# KiCad board PiEEG.kicad_pcb
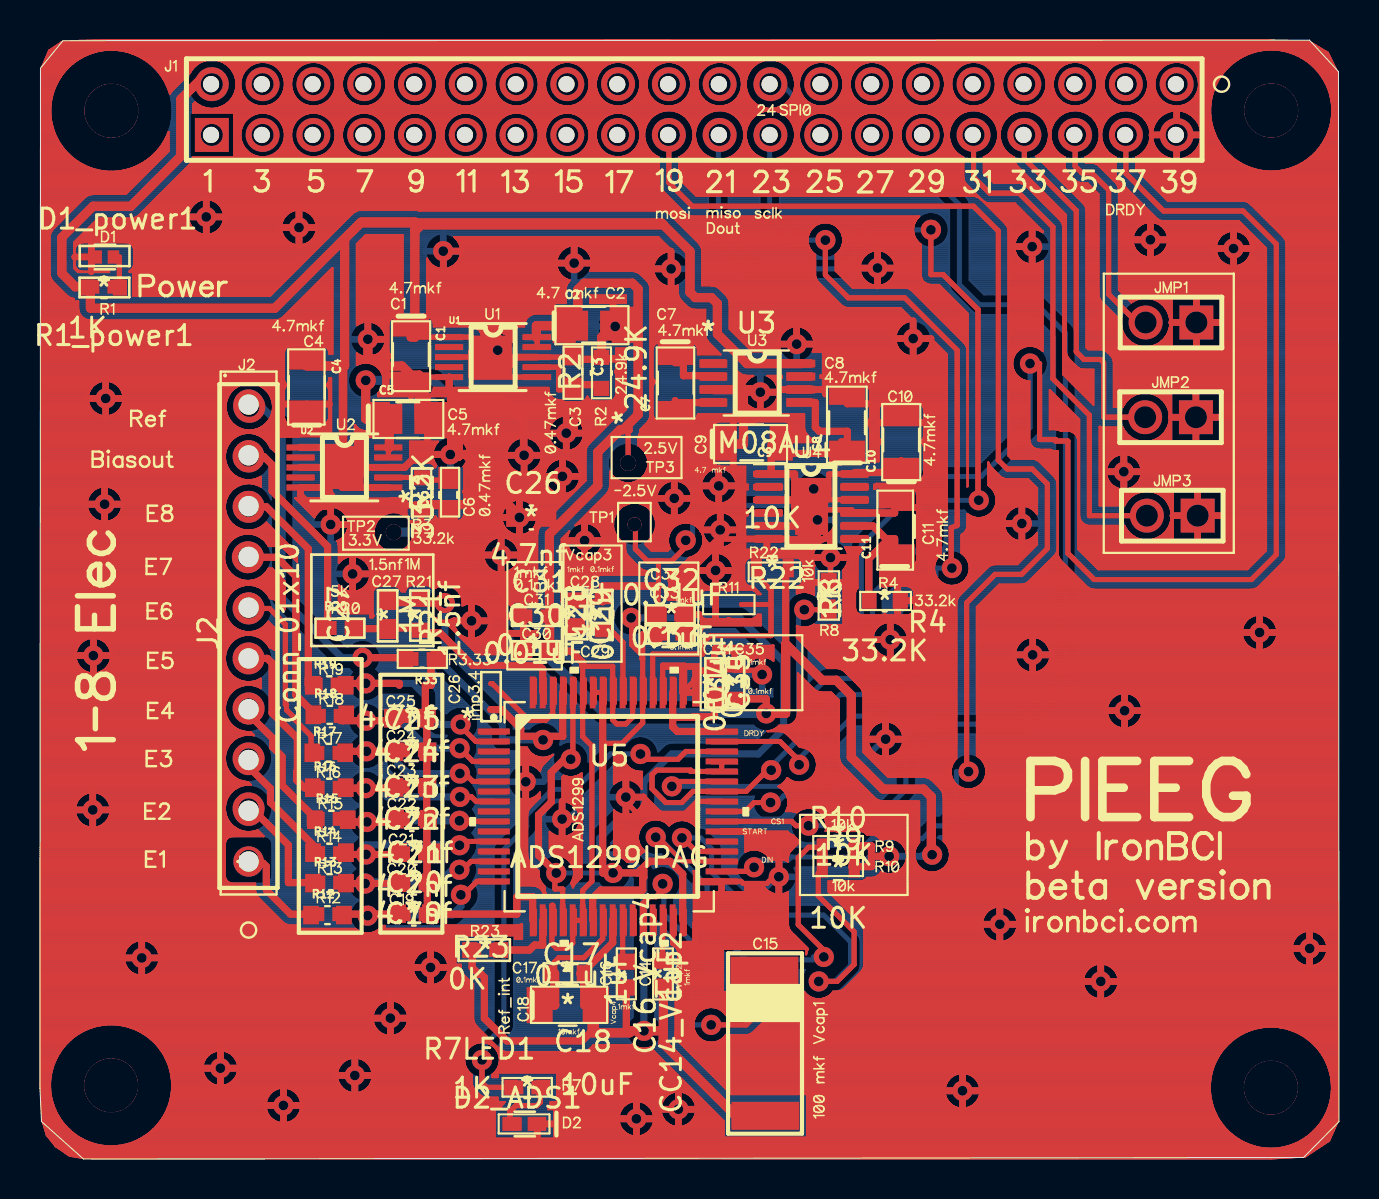
[diagram p0: board, top side]
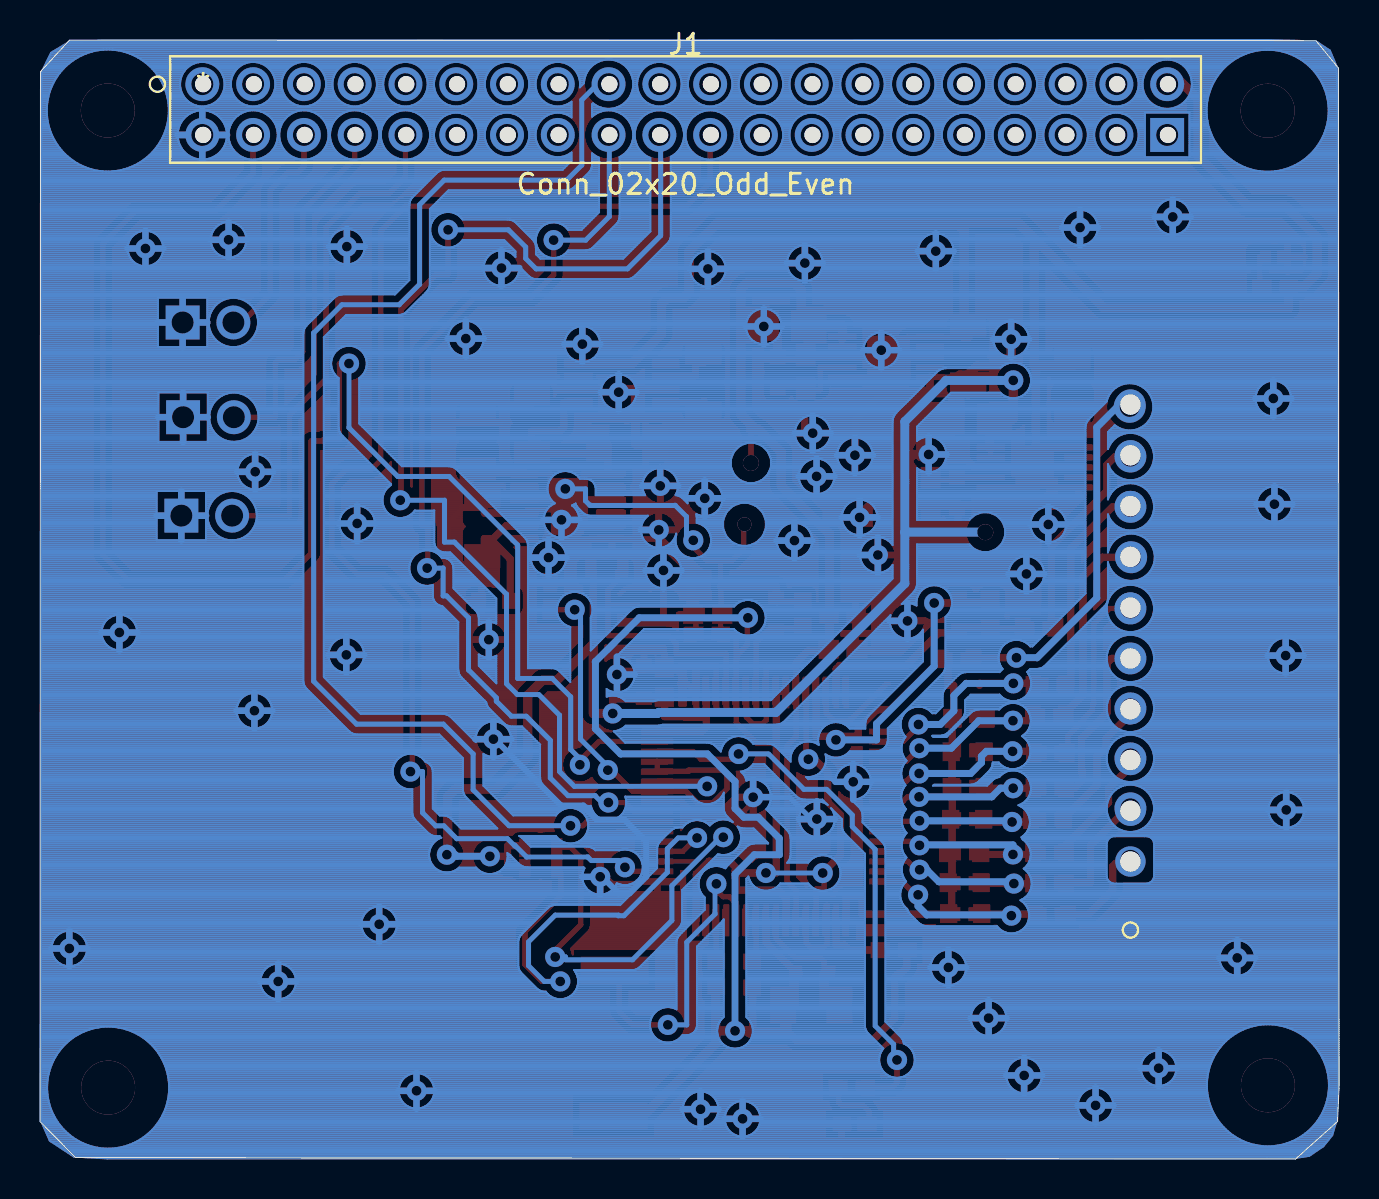
[diagram p1: board, bottom side, seen from below]

Outline 64.97 x 55.98 mm; copper layers: Top, Bottom. Coordinates in mm from the lower left corner of the outline.
Outline path: 0,3.53 0.03,54.58 1.15,55.95 63.5,55.98 64.95,54.4 64.97,1.88 63.2,0.08 2.17,0 0.08,1.88 0,3.53

## Placement (name value [footprint] x y rotation side)
C1  4.7uF  [CAPC3216X229N]  18.55 40.25 270 top
C2  4.7uF  [CAPC3216X229N]  27.69 41.74 0 top
C3  0.47uF  [CAPC1608X90]  26.68 39.4 270 top
C4  4.7uF  [CAPC3216X229N]  13.34 38.6 270 top
C5  4.7uF  [CAPC3216X229N]  18.4 36.97 0 top
C6  0.47uF  [CAPC1608X90]  20.43 33.23 90 top
C7  4.7uF  [CAPC3216X229N]  31.8 38.83 90 top
C8  4.7uF  [CAPC3216X229N]  40.37 36.84 90 top
C9  4.7uF  [CAPC3216X229N]  35.6 35.85 180 top
C10  4.7uF  [CAPC3216X229N]  43.07 35.98 90 top
C11  4.7uF  [CAPC3216X229N]  42.85 31.65 90 top
C16_Vcap4  1uF  [CC0603JRX7R7BB105]  29.35 9.23 270 top
C17  0.1uF  [CL10B104JB8NNNC]  26.35 9.3 0 top
C18  10uF  [C1206C106J8RACTU]  26.4 7.7 0 top
C19  4.7nf  [50MU472KY11608]  18.7 12.28 180 top
C20  4.7nf  [50MU472KY11608]  18.72 13.83 0 top
C21  4.7nf  [50MU472KY11608]  18.75 15.33 0 top
C22  4.7nf  [50MU472KY11608]  18.6 17 0 top
C23  4.7nf  [50MU472KY11608]  18.57 18.6 0 top
C24  4.7nf  [50MU472KY11608]  18.57 20.38 0 top
C25  4.7nf  [50MU472KY11608]  18.47 22.05 0 top
C26  4.7nf  [50MU472KY11608]  24.57 32.1 0 top
C27  1.5nf  [C0603C152F1GACTU]  17.45 27.25 90 top
C28  1uF  [CC0603JRX7R7BB105]  26.82 27.3 90 top
C29  0.1uF  [CL10B104JB8NNNC]  28.15 27.25 90 top
C30  0.01uF  [C0603C103F3GECAUTO]  24.8 25.5 0 top
C31  0.1uF  [CL10B104JB8NNNC]  24.83 27.18 0 top
C32  0.01uF  [C0603C103F3GECAUTO]  31.58 27.25 0 top
C33  0.1uF  [CL10B104JB8NNNC]  31.63 26.23 0 top
C34  0.01uF  [C0603C103F3GECAUTO]  33.75 23.85 90 top
C35  0.1uF  [CL10B104JB8NNNC]  34.78 23.88 90 top
CC14_Vcap2  1uF  [CC0603JRX7R7BB105]  31.15 9.28 270 top
D1_power1  D  [RESC1005X38N]  3.25 45.13 0 top
D2_ADS1  D  [RESC1005X38N]  24.25 1.75 180 top
J1  Conn_02x20_Odd_Even  [PPTC202LFBN-RC]  32.71 52.5 180 bottom
J2  Conn_01x10  [PPPC101LFBN-RC]  10.44 26.32 90 top
R1_power1  1K  [RC1608F102CS]  3.2 43.6 180 top
R2  24.9K  [ERJ-3EKF2492V]  28.07 39.33 90 top
R3  33.2K  [ERJ-3EKF3322V]  19.11 33.31 90 top
R4  33.2K  [ERJ-3EKF3322V]  42.25 27.93 0 top
R7LED1  1K  [RC1608F102CS]  24.37 3.58 0 top
R8  1K  [RC1608F102CS]  39.45 28.15 90 top
R9  10K  [ERJ-PB3B1022V]  39.93 15.58 0 top
R10  10K  [ERJ-PB3B1022V]  39.93 14.55 0 top
R12  5K  [RESC1608X55N]  14.38 12.2 0 top
R13  5K  [RESC1608X55N]  14.48 13.8 0 top
R14  5K  [RESC1608X55N]  14.48 15.33 0 top
R15  5K  [RESC1608X55N]  14.58 16.98 0 top
R16  5K  [RESC1608X55N]  14.47 18.58 0 top
R17  5K  [RESC1608X55N]  14.44 20.33 0 top
R18  5K  [RESC1608X55N]  14.5 22.23 0 top
R19  5K  [RESC1608X55N]  14.47 23.7 0 top
R20  5K  [RESC1608X55N]  15 26.6 0 top
R21  1M  [ERJ-3EKF1004V]  19 27.23 270 top
R22  10K  [ERJ-PB3B1022V]  36.62 29.58 180 top
R23  0K  [CRCW06030000Z0EAHP]  22.27 10.45 0 top
R33  5K  [RESC1608X55N]  19.11 25.03 180 top
U1  LT3042xMSE  [MSOP-10_MSE]  22.64 40.12 0 top
U2  LT3042xMSE  [MSOP-10_MSE]  15.22 34.6 0 top
U3  M08A  [SP6661EU-L&slash_TR]  35.83 38.83 0 top
U4  LT3094xMSE  [MSOP-12-1EP_3x4mm_P0.65mm_EP1.65x2.85mm]  38.59 32.65 0 top
U5  -  [ADS1299IPAG]  28.47 17.63 0 top

## Library data of the parts
C31 = -: Field4: *

## Footprints (pads in the part's own frame, mm; a bottom-side part is the same pattern mirrored in y, then rotated)
50MU472KY11608
  rect 0.864x0.94 smd: 1(-0.826,0) 2(0.826,0)
ADS1299IPAG
  rect 1.346x0.279 smd: 1(-5.779,3.75) 2(-5.779,3.25) 3(-5.779,2.75) 4(-5.779,2.25) 5(-5.779,1.75) 6(-5.779,1.25) 7(-5.779,0.75) 8(-5.779,0.25) 9(-5.779,-0.25) 10(-5.779,-0.75) 11(-5.779,-1.25) 12(-5.779,-1.75) 13(-5.779,-2.25) 14(-5.779,-2.75) 15(-5.779,-3.25) 16(-5.779,-3.75) 33(5.779,-3.75) 34(5.779,-3.25) 35(5.779,-2.75) 36(5.779,-2.25) 37(5.779,-1.75) 38(5.779,-1.25) 39(5.779,-0.75) 40(5.779,-0.25) 41(5.779,0.25) 42(5.779,0.75) 43(5.779,1.25) 44(5.779,1.75) 45(5.779,2.25) 46(5.779,2.75) 47(5.779,3.25) 48(5.779,3.75)
  rect 0.279x1.346 smd: 17(-3.75,-5.779) 18(-3.25,-5.779) 19(-2.75,-5.779) 20(-2.25,-5.779) 21(-1.75,-5.779) 22(-1.25,-5.779) 23(-0.75,-5.779) 24(-0.25,-5.779) 25(0.25,-5.779) 26(0.75,-5.779) 27(1.25,-5.779) 28(1.75,-5.779) 29(2.25,-5.779) 30(2.75,-5.779) 31(3.25,-5.779) 32(3.75,-5.779) 49(3.75,5.779) 50(3.25,5.779) 51(2.75,5.779) 52(2.25,5.779) 53(1.75,5.779) 54(1.25,5.779) 55(0.75,5.779) 56(0.25,5.779) 57(-0.25,5.779) 58(-0.75,5.779) 59(-1.25,5.779) 60(-1.75,5.779) 61(-2.25,5.779) 62(-2.75,5.779) 63(-3.25,5.779) 64(-3.75,5.779)
C0603C103F3GECAUTO
  rect 1.006x0.95 smd: 1(-0.728,0) 2(0.728,0)
C0603C152F1GACTU
  rect 1.006x0.95 smd: 1(-0.728,0) 2(0.728,0)
C1206C106J8RACTU
  rect 1.306x1.8 smd: 1(-1.403,0) 2(1.403,0)
CAPC1608X90
  rect 1.1x1 smd: 1(-0.85,0) 2(0.85,0)
CAPC3216X229N
  rect 1.16x1.82 smd: 1(-1.475,0) 2(1.475,0)
CC0603JRX7R7BB105
  rect 0.813x0.889 smd: 1(-0.648,0) 2(0.648,0)
CL10B104JB8NNNC
  rect 0.656x0.8 smd: 1(-0.828,0) 2(0.828,0)
CRCW06030000Z0EAHP
  rect 0.756x0.8 smd: 1(-0.778,0) 2(0.778,0)
ERJ-3EKF1004V
  rect 0.756x0.8 smd: 1(-0.778,0) 2(0.778,0)
ERJ-3EKF2492V
  rect 0.756x0.8 smd: 1(-0.778,0) 2(0.778,0)
ERJ-3EKF3322V
  rect 0.756x0.8 smd: 1(-0.778,0) 2(0.778,0)
ERJ-PB3B1022V
  rect 0.559x0.94 smd: 1(-0.8,0) 2(0.8,0)
MSOP-10_MSE
  rect 1.397x0.279 smd: 1(-2.184,1.001) 2(-2.184,0.5) 3(-2.184,0) 4(-2.184,-0.5) 5(-2.184,-1.001) 6(2.184,-1.001) 7(2.184,-0.5) 8(2.184,0) 9(2.184,0.5) 10(2.184,1.001)
  rect 1.93x2.159 smd: 11(0,0)
MSOP-12-1EP_3x4mm_P0.65mm_EP1.65x2.85mm
  rrect 0.67x1.15 smd: (-0.41,0.71) (-0.41,-0.71) (0.41,0.71) (0.41,-0.71)
  rrect 1.45x0.4 smd: 1(-2.15,1.625) 2(-2.15,0.975) 3(-2.15,0.325) 4(-2.15,-0.325) 5(-2.15,-0.975) 6(-2.15,-1.625) 7(2.15,-1.625) 8(2.15,-0.975) 9(2.15,-0.325) 10(2.15,0.325) 11(2.15,0.975) 12(2.15,1.625)
  rect 1.65x2.85 smd: 13(0,0)
PPPC101LFBN-RC
  round 1.524 hole 1.016: 1(-11.44,0.007) 2(-8.9,0.007) 3(-6.36,0.007) 4(-3.82,0.007) 5(-1.28,0.007) 6(1.26,0.007) 7(3.8,0.007) 8(6.34,0.007) 9(8.88,0.007) 10(11.42,0.007)
PPTC202LFBN-RC
  round 1.321 hole 0.813: 1(-24.11,1.27) 2(-24.11,-1.27) 3(-21.57,1.27) 4(-21.57,-1.27) 5(-19.03,1.27) 6(-19.03,-1.27) 7(-16.49,1.27) 8(-16.49,-1.27) 9(-13.95,1.27) 10(-13.95,-1.27) 11(-11.41,1.27) 12(-11.41,-1.27) 13(-8.87,1.27) 14(-8.87,-1.27) 15(-6.33,1.27) 16(-6.33,-1.27) 17(-3.79,1.27) 18(-3.79,-1.27) 19(-1.25,1.27) 20(-1.25,-1.27) 21(1.29,1.27) 22(1.29,-1.27) 23(3.83,1.27) 24(3.83,-1.27) 25(6.37,1.27) 26(6.37,-1.27) 27(8.91,1.27) 28(8.91,-1.27) 29(11.45,1.27) 30(11.45,-1.27) 31(13.99,1.27) 32(13.99,-1.27) 33(16.53,1.27) 34(16.53,-1.27) 35(19.07,1.27) 36(19.07,-1.27) 37(21.61,1.27) 38(21.61,-1.27) 39(24.15,1.27) 40(24.15,-1.27)
RC1608F102CS
  rect 0.706x0.8 smd: 1(-0.803,0) 2(0.803,0)
RESC1005X38N
  rect 0.57x0.67 smd: 1(-0.43,0) 2(0.43,0)
RESC1608X55N
  rect 0.79x0.93 smd: 1(-0.82,0) 2(0.82,0)
SP6661EU-L&slash_TR
  rect 1.308x0.432 smd: 1(-2.153,0.975) 2(-2.153,0.325) 3(-2.153,-0.325) 4(-2.153,-0.975) 5(2.153,-0.975) 6(2.153,-0.325) 7(2.153,0.325) 8(2.153,0.975)

## Nets
+2V5: C2.1 C30.2 C31.2 R9.2 R10.2 U1.9 U1.10 U5.19 U5.21 U5.22 U5.54 U5.56 U5.59
+3.3V: C5.1 C34.1 C35.1 R22.1 U2.9 U2.10 U5.48 U5.50
+5V: C1.1 C4.1 C9.1 J1.2 R1_power1.2 U1.1 U1.2 U1.3 U1.6 U2.1 U2.2 U2.3 U2.6 U3.8 U4.1 U4.2 U4.3 U4.5 U4.13
-2V5: C10.1 C16_Vcap4.2 C17.2 C18.2 C28.2 C29.2 C32.1 C33.1 CC14_Vcap2.1 R23.2 U4.10 U4.11 U4.12 U5.20 U5.23 U5.25 U5.32 U5.53 U5.57 U5.58 U5.60
-5V: C8.2
GND: C1.2 C2.2 C3.1 C4.2 C5.2 C6.1 C9.2 C10.2 C11.1 C32.2 C33.2 C34.2 C35.2 D1_power1.1 D2_ADS1.1 J1.39 R2.2 R3.2 R4.2 R8.2 U1.5 U1.8 U1.11 U2.5 U2.8 U2.11 U3.3 U3.6 U4.9 U5.31 U5.33 U5.41 U5.49 U5.51
/ADS1299_subsheet/SPI3.1DRDY: U5.47
/ADS1299_subsheet/SPI3.2.mosi_din: U5.34
/ADS1299_subsheet/SPI3.3.SCLK: U5.40
/ADS1299_subsheet/SPI3.4CS1: U5.39
/ADS1299_subsheet/SPI3.6_MISO_dout: U5.43
/SPI3.1DRDY: J1.37
/SPI3.2.mosi_dout: J1.19
/SPI3.3.SCLK: J1.23
/SPI3.4CS1: J1.24
/SPI3.6_MISO_din: J1.21
Net-(C3-Pad2): C3.2 R2.1 U1.7
Net-(C6-Pad2): C6.2 R3.1 U2.7
Net-(C7-Pad1): C7.1 U3.1
Net-(C7-Pad2): C7.2 U3.4
Net-(C8-Pad1): C8.1 U3.5
Net-(C11-Pad2): C11.2 R4.1 U4.8
Net-(C15_Vcap1-Pad1): U5.28
Net-(C16_Vcap4-Pad1): C16_Vcap4.1 U5.26
Net-(C18-Pad1): C17.1 C18.1 U5.24
Net-(C19-Pad1): C19.1 R12.2 U5.16
Net-(C20-Pad1): C20.1 R13.2 U5.14
Net-(C21-Pad1): C21.1 R14.2 U5.12
Net-(C22-Pad1): C22.1 R15.2 U5.10
Net-(C23-Pad1): C23.1 R16.2 U5.8
Net-(C24-Pad1): C24.1 R17.2 U5.6
Net-(C25-Pad1): C25.1 R18.2 U5.4
Net-(C26-Pad1): C26.1 R19.2 U5.2
Net-(C26-Pad2): C19.2 C20.2 C21.2 C22.2 C23.2 C24.2 C25.2 C26.2 R33.1 U5.17
Net-(C27-Pad1): C27.1 R21.2 U5.61 U5.62
Net-(C27-Pad2): C27.2 R20.2 R21.1 U5.63
Net-(C28-Pad1): C28.1 C29.1 U5.55
Net-(C30-Pad1): C30.1 C31.1
Net-(CC14_Vcap2-Pad2): CC14_Vcap2.2 U5.30
Net-(D1_power1-Pad2): D1_power1.2 R1_power1.1
Net-(J1-Pad31): J1.31
Net-(J1-Pad33): J1.33
Net-(J1-Pad35): J1.35
Net-(J2-Pad1): J2.1 R12.1
Net-(J2-Pad2): J2.2 R13.1
Net-(J2-Pad3): J2.3 R14.1
Net-(J2-Pad4): J2.4 R15.1
Net-(J2-Pad5): J2.5 R16.1
Net-(J2-Pad6): J2.6 R17.1
Net-(J2-Pad7): J2.7 R18.1
Net-(J2-Pad8): J2.8 R19.1
Net-(J2-Pad9): J2.9 R20.1
Net-(J2-Pad10): J2.10 R33.2
Net-(R7LED1-Pad1): R7LED1.1 U5.46
Net-(R7LED1-Pad2): D2_ADS1.2 R7LED1.2
Net-(R8-Pad1): R8.1 U5.42 U5.44 U5.45
Net-(R9-Pad1): R9.1 U5.36
Net-(R10-Pad1): R10.1 U5.35
Net-(R22-Pad2): R22.2 U5.52
Net-(R23-Pad1): R23.1 U5.18

Pads without a net: J1 1 3 4 5 6 7 8 9 10 11 12 13 14 15 16 17 18 20 22 25 26 27 28 29 30 32 34 36 38 40; U1 4; U2 4; U3 2 7; U4 4 6 7; U5 1 3 5 7 9 11 13 15 27 29 37 38 64

## Via types
v1: diameter 0.485, hole 0.485, Top to Bottom, 110 vias
v2: diameter 1.1, hole 1.1, Top to Bottom, 46 vias
v3: diameter 2.7, hole 2.7, Top to Bottom, 4 vias
v4: diameter 0.701, hole 0.701, Top to Bottom, 1 via
v5: diameter 0.8, hole 0.8, Top to Bottom, 2 vias
v6: diameter 1.001, hole 1.001, Top to Bottom, 10 vias
